# Altium PCB PCB1.PcbDoc (part 1 of 2)
Units mm, origin at the board's own origin, x right, y up, seen from the top; angles counter-clockwise.
Board outline 100 x 60 mm, 2 copper layers (Top Layer, Bottom Layer); 156 components, 92 nets, 483 pads, 40 vias.
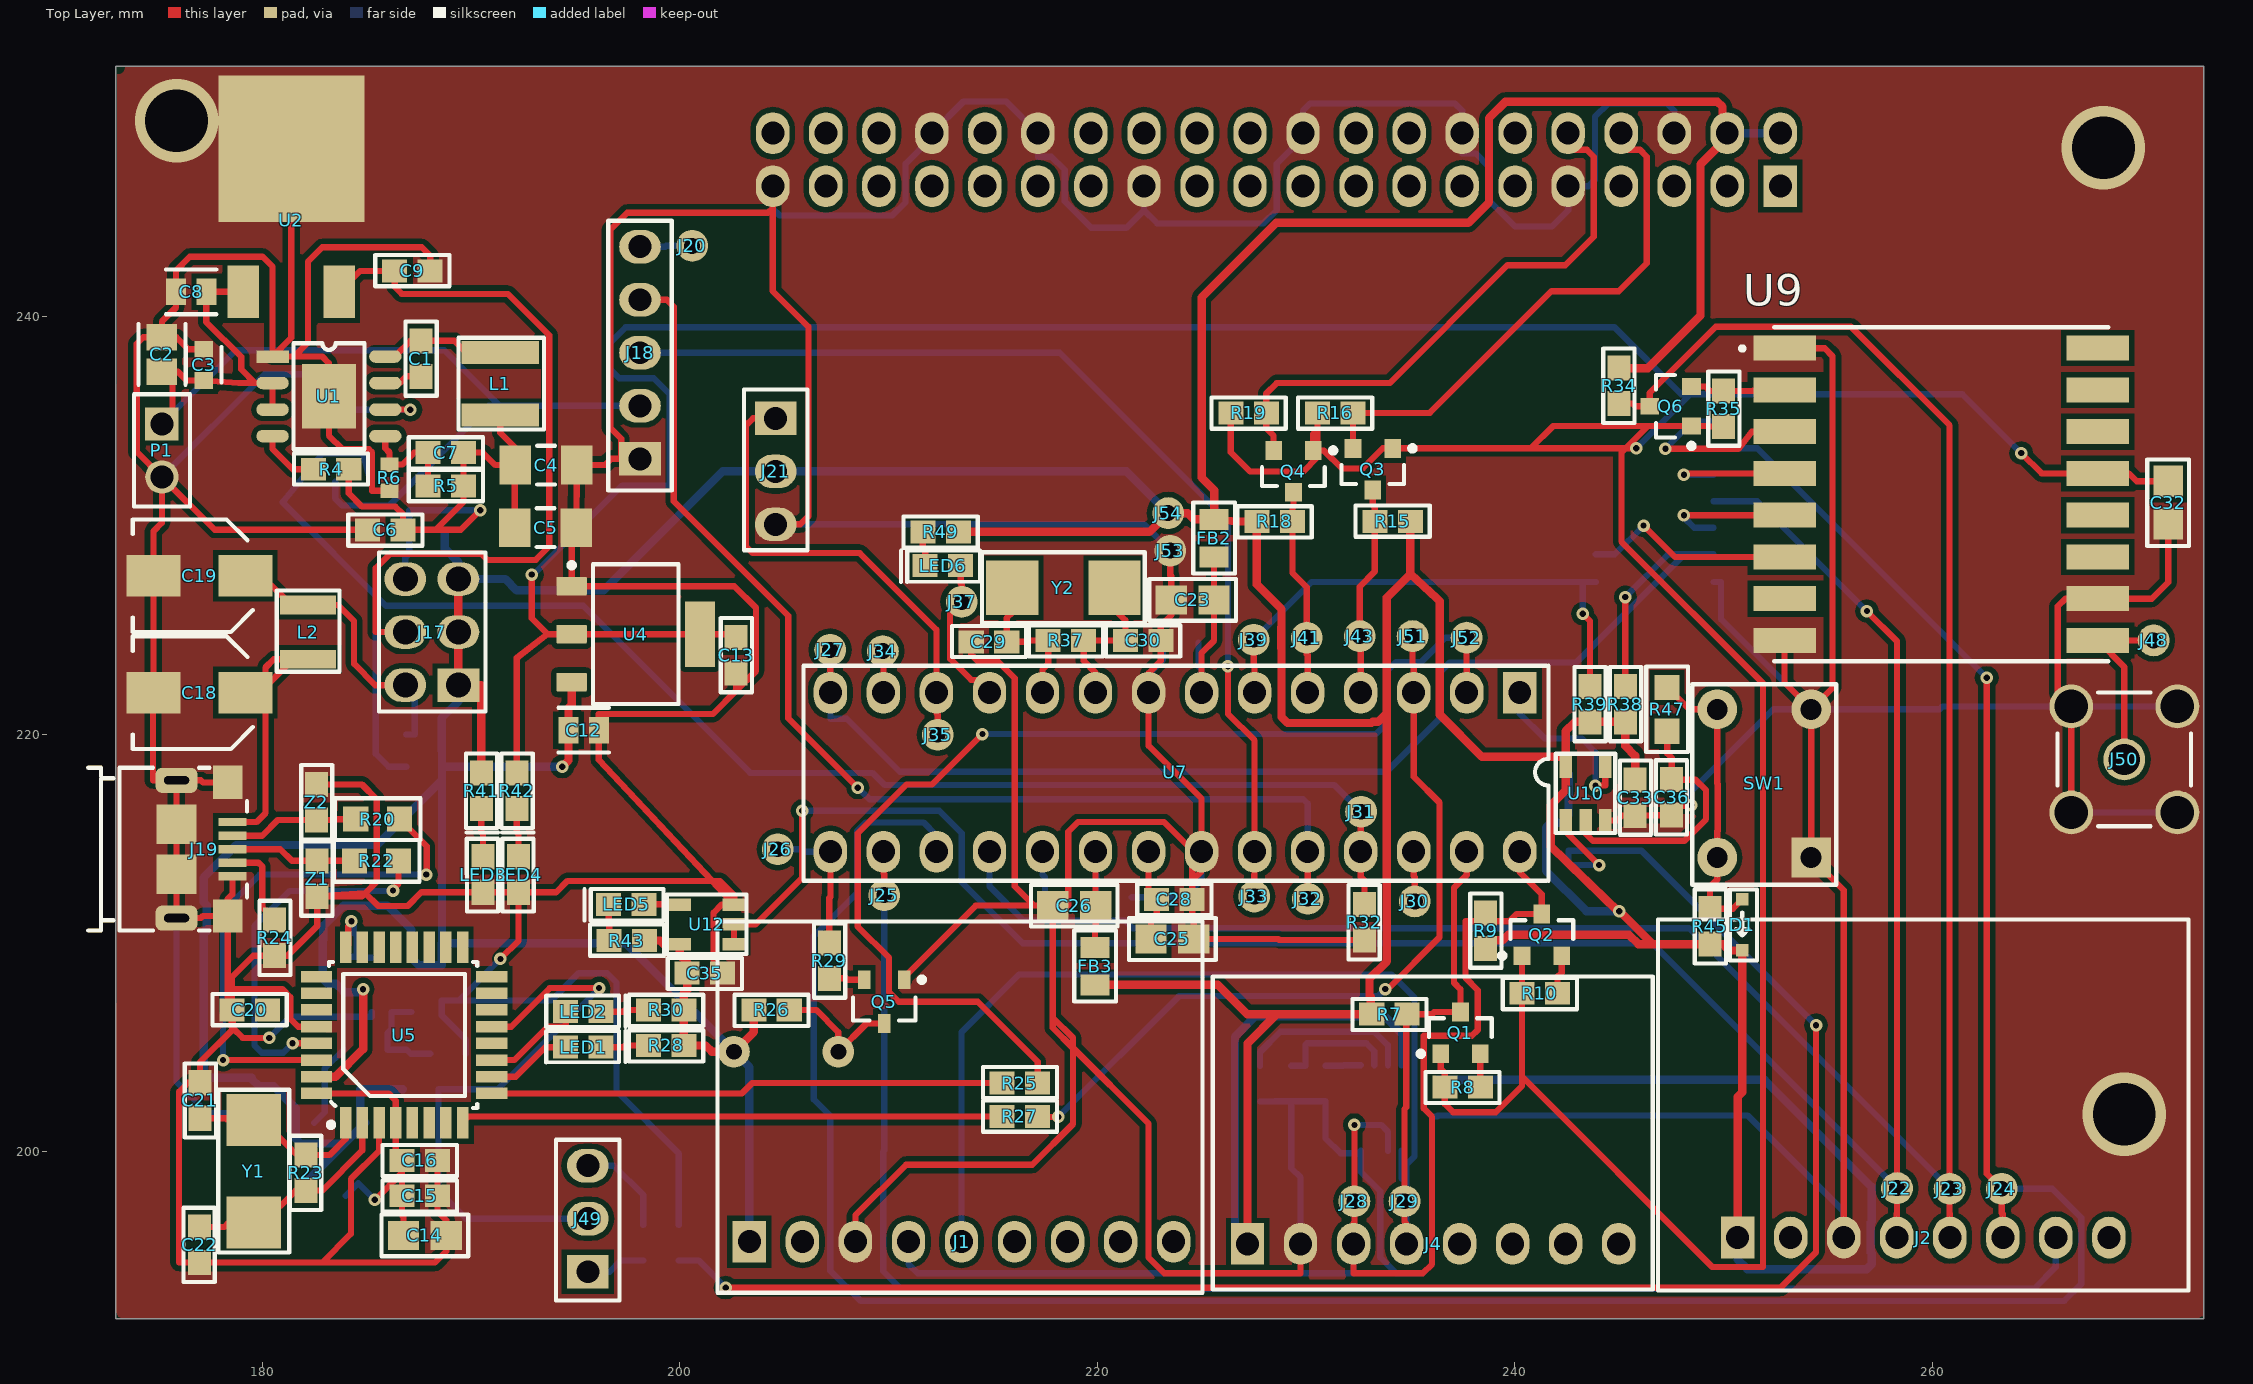
[diagram p0: Top Layer view]
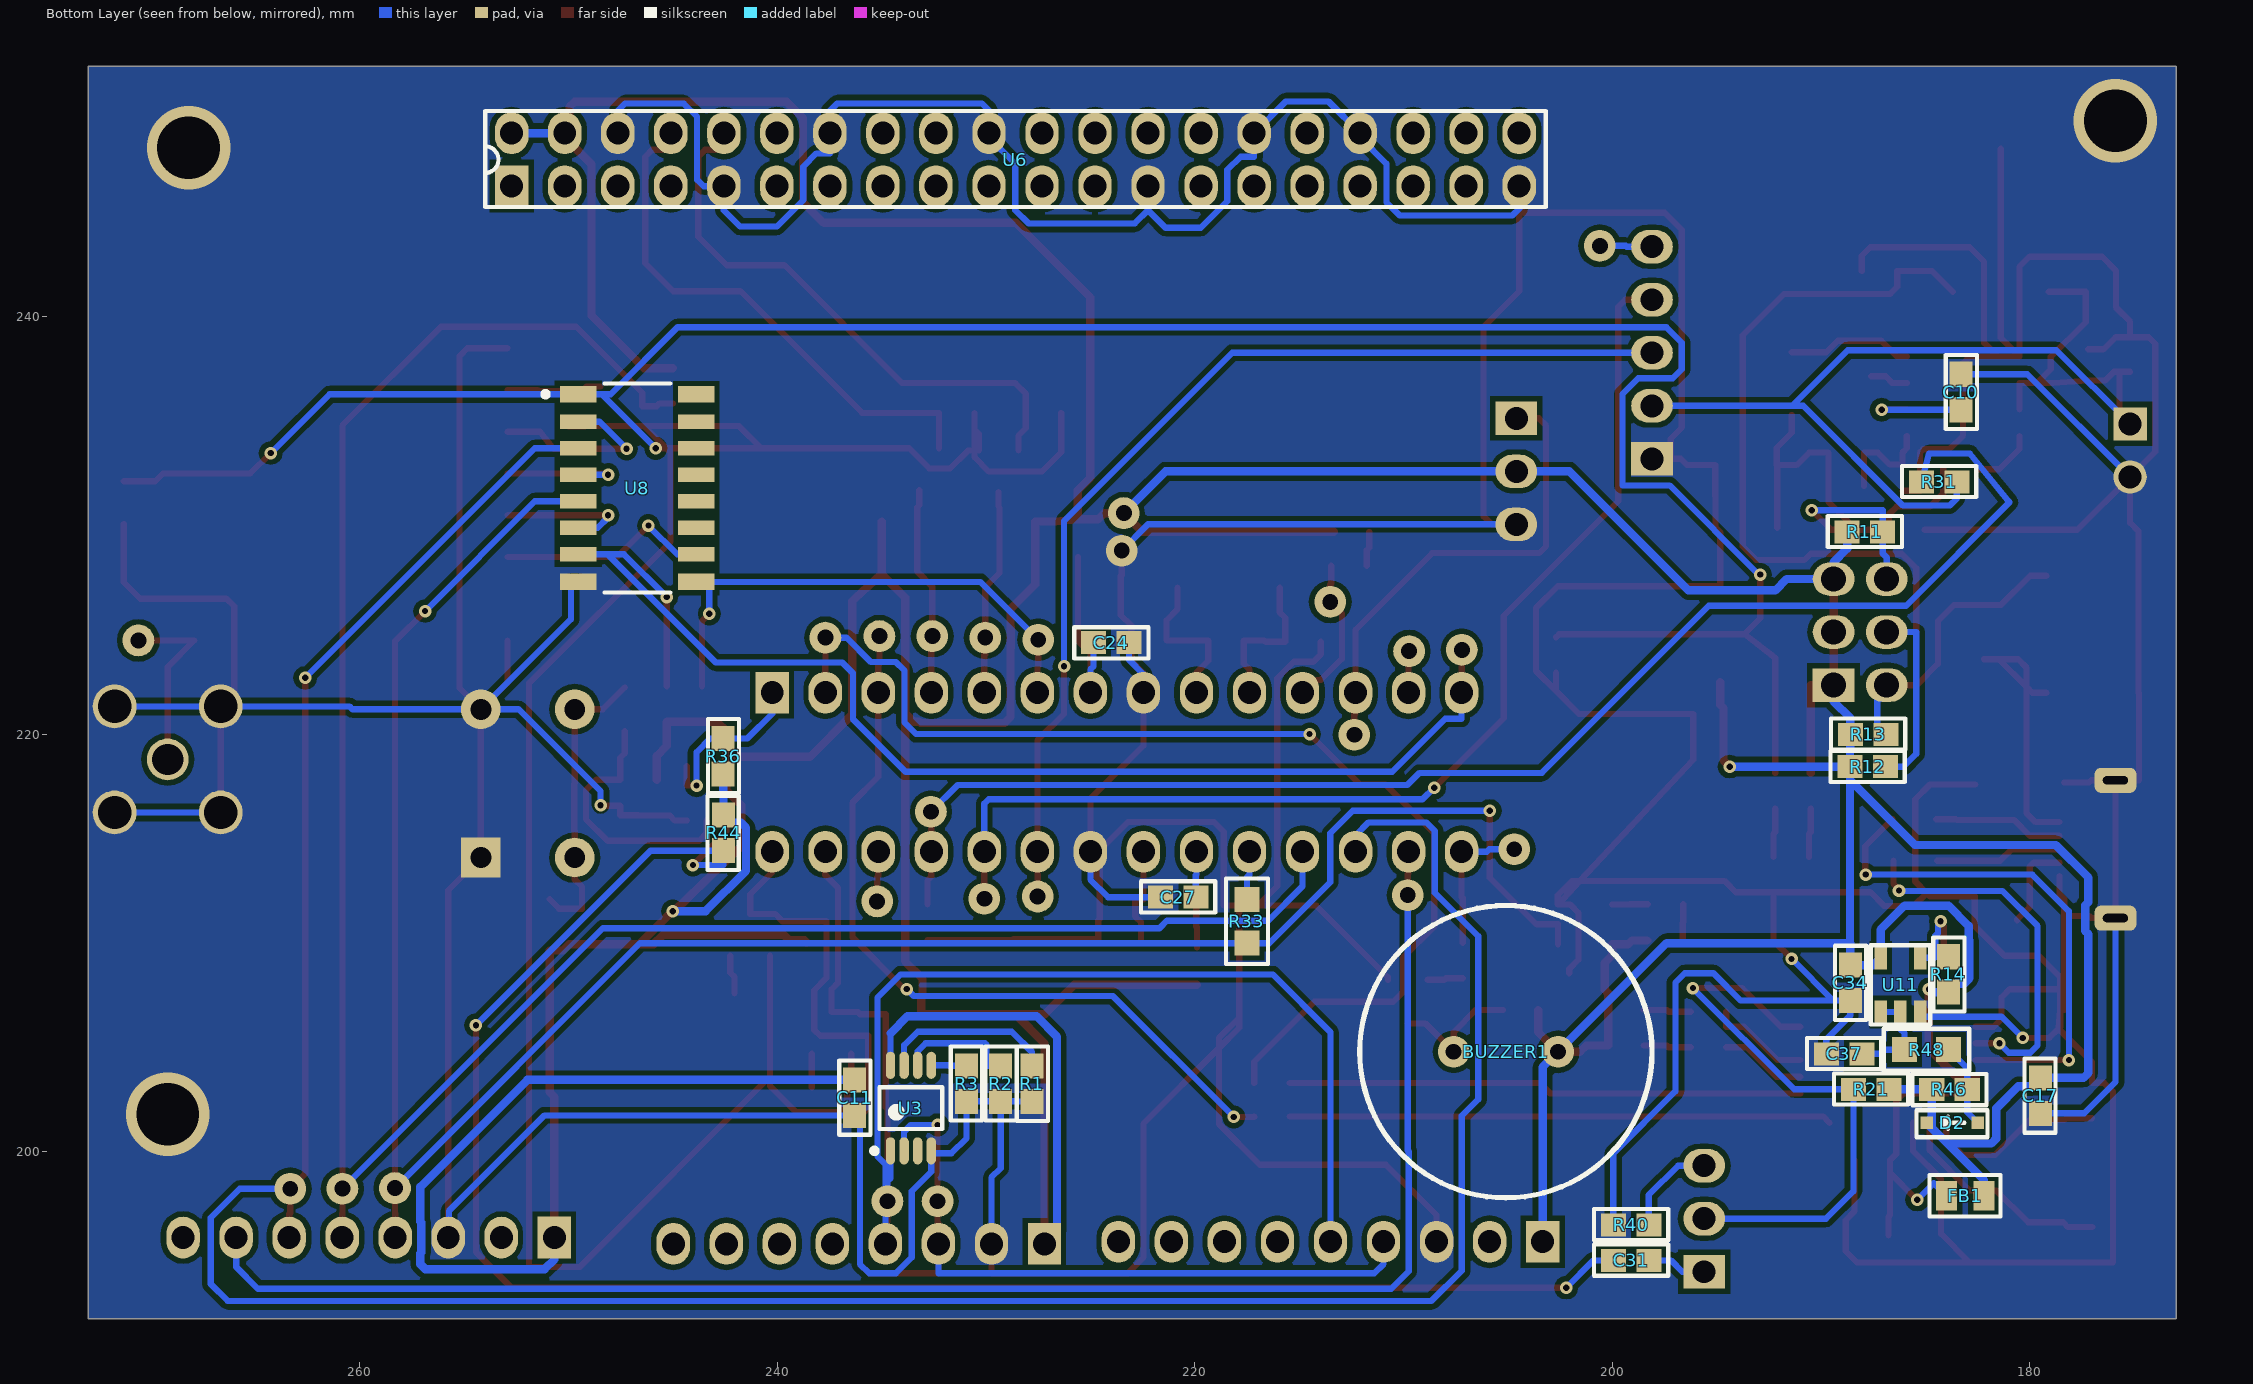
[diagram p1: Bottom Layer view, seen from below]

## Layer stack, top to bottom
Top Solder: solder mask 0.0102, Solder Resist, Dk 3.5
Top Layer: signal copper 0.0356
Dielectric 1: dielectric 0.32, FR-4, Dk 4.8
Bottom Layer: signal copper 0.0356
Bottom Solder: solder mask 0.0102, Solder Resist, Dk 3.5

## Board outline
173,192 273,192 273,252 173,252

## Design rules (kind name [scope] priority, off if disabled: settings)
Clearance [All] p1: gap=0.254 ignorepadtopadclearanceinfootprint=FALSE except(0: Arc-Hole Track-Hole SMDPad-Hole THPad-Hole Via-Hole Fill-Hole Poly-Hole Region-Hole Text-Hole)
HoleSize [All] p1: absolutevalues=TRUE maxlimit=5 minlimit=0.2 maxpercent=80.000 minpercent=20.000
PolygonConnect [All] p1: connectstyle=Direct reliefconductorwidth=0.254 reliefentries=4 polygonreliefangle="90 Angle" airgapwidth=0.254
RoutingVias [All] p1: holewidth=0.3 width=0.6 viastyle="Through Hole" minholewidth=0.3 minwidth=0.6 maxholewidth=0.3 maxwidth=0.6
SolderMaskExpansion [All] p1: expansion=0.102 istentingtop=FALSE
Width [All] p1: maxlimit=0.5 minlimit=0.3 preferedwidth=0.3
29 further rules are at their usual default settings.

## Components (designator, comment, footprint, x,y, rotation, side; value= is the part's Value field where it differs from the comment)
BUZZER1 "PS1420P02CT" PS1420P02CT 202.6,204.8 r0 bottom locked
C1 "0.1u" CAP_603 187.6,238 r270 top
C2 "4.7uF" FP-CL21-IPC_B 175.2,238.2 r90 top
C3 "220nF" FP-CC0603-DA-MFG 177.2,237.7 r90 top value="220 nF"
C4 "22uF" FP-CL31-IPC_A 193.6,232.9 r0 top
C5 "22uF" FP-CL31-IPC_A 193.576,229.9 r0 top
C6 "0.1uF" CAP_603 185.9,229.8 r180 top
C7 "18pF" CAP_603 188.8,233.5 r180 top
C8 "0.33uF" FP-CL21-F-IPC_C 176.6,241.2 r180 top value=330nF
C9 "0.1uF" CAP_603 187.2,242.2 r0 top
C10 "1uF" CAP_603 183.3,236.4 r270 bottom
C11 "0.1u" CAP_603 236.3,202.6 r270 bottom
C12 "0.33uF" FP-CL21-F-IPC_C 195.4,220.2 r0 top value=330nF
C13 "0.1uF" CAP_603 202.7,223.8 r270 top
C14 "10uF" CAP_0805 187.8,196 r180 top
C15 "0.1u" CAP_603 187.55,197.9 r180 top
C16 "0.1u" CAP_603 187.55,199.6 r180 top
C17 "0.1u" CAP_603 179.5,202.7 r90 bottom
C18 "100uF / 10V" EEE-1AA101WR 177,222 r0 top
C19 "100uF / 10V" EEE-1AA101WR 177,227.6 r0 top
C20 "1uF" CAP_603 179.4,206.8 r0 top
C21 "18pF" CAP_603 177.021,202.463 r270 top
C22 "18pF" CAP_603 177,195.55 r90 top
C23 "10uF" CAP_0805 224.569,226.444 r0 top
C24 "0.1u" CAP_603 224,224.4 r0 bottom
C25 "10uF" CAP_0805 223.6,210.2 r180 top
C26 "10uF" CAP_0805 218.9,211.8 r0 top
C27 "0.1u" CAP_603 220.8,212.2 r180 bottom
C28 "0.1u" CAP_603 223.7,212.1 r180 top
C29 "18pF" CAP_603 214.816,224.434 r0 top
C30 "18pF" CAP_603 222.2,224.5 r180 top
C31 "0.1u" CAP_603 199.1,194.8 r180 bottom
C32 "10uF" CAP_0805 271.3,231.1 r90 top
C33 "0.1u" CAP_603 245.769,216.97 r270 top
C34 "0.1u" CAP_603 188.6,208.1 r270 bottom
C35 "0.1u" CAP_603 201.209,208.561 r180 top
C36 "0.1u" CAP_603 247.516,216.979 r90 top
C37 "0.1u" CAP_603 188.9,204.7 r180 bottom
D1 "BAT54HT1G" BAT54HT1G 250.9,210.875 r90 top
D2 "BAT54HT1G" BAT54HT1G 183.725,201.4 r180 bottom
FB1 "MPZ2012S601AT000" FB_0805 183.1,197.9 r0 bottom
FB2 "MPZ2012S601AT000" FB_0805 225.6,229.4 r270 top
FB3 "MPZ2012S601AT000" FB_0805 219.9,208.9 r90 top
J1 "https://www.adafruit.com/product/4502" ISM330DHCX_adafruit 215.144,195.792 r90 top locked
J2 "https://www.adafruit.com/product/3966" BMP388_adafruit 249.41,195.9 r90 top locked
J4 "https://www.adafruit.com/product/1782" MCP9808_adafruit 236.2,195.7 r90 top locked
J17 "M20-9760346" HEADER_MALE_2x3PIN 189.4,222.36 r180 top
J18 "M20-9990546 (3)" HEADER_MALE_1X5 198,239.7 r180 top
J19 "10118193-0001LF" 10118193-0001LF 178.575,215.8 r270 top
J20 "PIN" PIN 200.6,243.4 r90 top
J21 "M20-9990345" HEADER_MALE_1x3 204.904,228.42 r0 top
J22 "PIN" PIN 258.311,198.266 r90 top
J23 "PIN" PIN 260.831,198.24 r90 top
J24 "PIN" PIN 263.328,198.237 r90 top
J25 "PIN" PIN 209.8,212.3 r90 top
J26 "PIN" PIN 204.7,214.5 r90 top
J27 "PIN" PIN 207.207,224.048 r90 top
J28 "PIN" PIN 232.319,197.637 r90 top
J29 "PIN" PIN 234.722,197.636 r90 top
J30 "PIN" PIN 235.215,211.998 r90 top
J31 "PIN" PIN 232.641,216.295 r0 top
J32 "PIN" PIN 230.082,212.126 r90 top
J33 "PIN" PIN 227.526,212.235 r90 top
J34 "PIN" PIN 209.736,223.987 r90 top
J35 "PIN" PIN 212.359,219.982 r90 top
J37 "PIN" PIN 213.51,226.348 r90 top
J39 "PIN" PIN 227.498,224.532 r90 top
J41 "PIN" PIN 230.039,224.634 r0 top
J43 "PIN" PIN 232.573,224.708 r90 top
J48 "PIN" PIN 270.6,224.5 r90 top
J49 "M20-9990345" HEADER_MALE_1x3 195.296,200.98 r180 top
J50 "5-1814832-1" TECO-5-1814832-1_V 269.2,218.8 r0 top
J51 "PIN" PIN 235.105,224.708 r0 top
J52 "PIN" PIN 237.695,224.634 r90 top
J53 "PIN" PIN 223.5,228.8 r90 top
J54 "PIN" PIN 223.4,230.6 r90 top
L1 "ASPI-4020S-120M-T" ASPI-4020S 191.4,236.8 r270 top
L2 "2u2 / 2A" L_1210 182.2,224.9 r90 top
LED1 "LOL29K-H2K1-24-Z" LED_0603 195.4,205 r0 top
LED2 "LOL29K-H2K1-24-Z" LED_0603 195.4,206.7 r0 top
LED3 "LGL29K-F2J1-24-Z" LED_0603 190.6,213.3 r90 top
LED4 "LGL29K-F2J1-24-Z" LED_0603 192.3,213.3 r90 top
LED5 "LOL29K-H2K1-24-Z" LED_0603 197.44,211.88 r180 top
LED6 "LGL29K-F2J1-24-Z" LED_0603 212.6,228.1 r180 top
P1 "61300211121" 61300211121 175.2,233.6 r270 top
Q1 "BSS138-7-F" DIOD-SOT23-3_V 237.4,205.7 r90 top
Q2 "BSS138-7-F" DIOD-SOT23-3_V 241.3,210.4 r90 top
Q3 "BSS138-7-F" DIOD-SOT23-3_V 233.2,232.7 r270 top
Q4 "BSS138-7-F" DIOD-SOT23-3_V 229.4,232.6 r270 top
Q5 "2SC2412KT146R" ROHM-SOT-346-3_V 209.8,207.2 r270 top
Q6 "BSS138-7-F" DIOD-SOT23-3_V 247.465,235.718 r180 top
R1 "10k" R_0603 227.8,203.265 r270 bottom
R2 "10k" R_0603 229.301,203.276 r270 bottom
R3 "10k" R_0603 230.931,203.276 r90 bottom
R4 "100k" R_0603 183.3,232.7 r0 top
R5 "100k" R_0603 188.8,231.9 r0 top
R6 "24.9k" RESC1608X55X30LL15T15 186.1,232.3 r90 top
R7 "10k" R_0603 234,206.6 r180 top
R8 "10k" R_0603 237.5,203.1 r180 top
R9 "10k" R_0603 238.6,210.6 r270 top
R10 "10k" R_0603 241.2,207.6 r180 top
R11 "0R" R_0603 187.9,229.7 r180 bottom
R12 "0R" R_0603 187.768,218.455 r180 bottom
R13 "0R" R_0603 187.75,220 r180 bottom
R14 "10k" R_0603 183.9,208.5 r270 bottom
R15 "10k" R_0603 234.15,230.2 r0 top
R16 "10k" R_0603 231.4,235.4 r180 top
R18 "10k" R_0603 228.5,230.2 r180 top
R19 "10k" R_0603 227.25,235.4 r180 top
R20 "22R" R_0805 185.535,215.941 r0 top
R21 "100k" R_0603 187.6,203 r180 bottom
R22 "22R" R_0805 185.485,213.941 r0 top
R23 "1M" R_0603 182.1,199 r90 top
R24 "0R" R_0603 180.6,210.25 r270 top
R25 "1k" R_0603 216.3,203.3 r0 top
R26 "1k" R_0603 204.4,206.8 r180 top
R27 "1k" R_0603 216.3,201.7 r0 top
R28 "560R" R_0603 199.35,205.1 r180 top
R29 "1k" R_0603 207.167,209.163 r270 top
R30 "560R" R_0603 199.35,206.8 r180 top
R31 "100k" R_0603 184.35,232.1 r180 bottom
R32 "100k" R_0603 232.8,211 r90 top
R33 "22R" R_0805 217.5,211.05 r270 bottom
R34 "10k" R_0603 245,236.7 r90 top
R35 "10k" R_0603 250,235.6 r270 top
R36 "10k" R_0603 242.592,218.956 r270 bottom
R37 "1M" R_0603 218.5,224.5 r180 top
R38 "100k" R_0603 245.3,221.45 r270 top
R39 "100k" R_0603 243.6,221.45 r270 top
R40 "1k" R_0603 199.1,196.5 r180 bottom
R41 "560R" R_0603 190.5,217.3 r270 top
R42 "560R" R_0603 192.2,217.3 r270 top
R43 "560R" R_0603 197.476,210.125 r0 top
R44 "10k" R_0603 242.574,215.279 r90 bottom
R45 "10k" R_0603 249.35,210.8 r270 top
R46 "10k" R_0603 183.85,203 r0 bottom
R47 "22R" R_0805 247.3,221.2 r270 top
R48 "22R" R_0805 184.95,204.9 r0 bottom
R49 "560R" R_0603 212.5,229.7 r180 top
SW1 "1825910-6" BUTTON 254.2,214.4 r180 top
U1 "LMR33610ADDAR" HSOIC8 180.5,238.1 r0 top
U2 "AS7805ADTR-G1" TO-252 179.1,241.2 r0 top
U3 "MCP9808-E/MS" MCHP-MSOP-MS8_L 233.6,202.1 r90 bottom
U4 "LM1117MPX-3.3/NOPB" DCY0004A_L 197.9,224.8 r0 top
U5 "ATMEGA16U2-AU" TQFP32 186.8,205.6 r90 top
U6 "raspberry_pi_connector" raspberry_pi 252.72,246.26 r90 bottom locked
U7 "ATMEGA328P-PU" DIP28_7.62mm 240.24,222 r270 top locked
U8 "74HC4050D,653" FP-SOT109-1-MFG 246.7,231.8 r180 bottom
U9 "RFM95W-868S2" RFM69HCW 260.3,231.5 r0 top
U10 "SN74AHC1G09DBVR" SOT-23 242.441,215.873 r90 top
U11 "SN74AHC1G09DBVR" SOT-23 187.15,206.7 r90 bottom
U12 "SN74AHC1G09DBVR" SOT-23 202.6,209.95 r180 top
Y1 "16MHz" ABM7_v1_1_BIG 179.597,199.076 r270 top
Y2 "CRYSTAL 16.0000MHZ 18PF SMD" ABM7_v1_1_BIG 218.377,227.024 r0 top
Z1 "CG0603MLC-05E" CG0603MLC-05E 182.635,213.091 r90 top
Z2 "CG0603MLC-05E" CG0603MLC-05E 182.6,216.75 r270 top

## Footprints (in the part's own frame and the unit in brackets; to place one, negate y for a bottom-side part, rotate by r counter-clockwise, add the part's x,y. Pads: shape width x height; smd on the part's side, far side on the other; paste and mask are expansions set on the pad)
10118193-0001LF [mm]
  rect 0.4x1.35 smd mask+0.05: 1(0,0) 2(0.65,0) 3(1.3,0) 4(1.95,0) 5(2.6,0)
  rect 1.6x1.4 smd mask+0.05: 6(-1.9,-0.225) 7(4.5,-0.225)
  rrect50% 1.2x2 hole 0.4 slot 1.2 at 90 deg mask+0.05: 8(-2,-2.675) 9(4.6,-2.675)
  rect 1.9x1.9 smd mask+0.05: 10(0.1,-2.675) 11(2.5,-2.675)
  silkscreen extent -2.6,-6.9 5.2,0.7, body extent -2.63,-5.46 5.23,0.2, height 2.81
61300211121 [mm] "Pin Header, pitch 2.54 mm, THT, Vertical, single row, 2p"
  rect 1.6x1.6 hole 1.1: 1(-1.27,0)
  round 1.6 hole 1.1: 2(1.27,0)
  silkscreen extent -2.69,-1.34 2.69,1.34, body extent -2.54,-1.27 2.54,1.27, height 8.57
ABM7_v1_1_BIG [mm]
  rect 2.5x2.6 smd: 1(-2.45,0) 2(2.45,0)
  silkscreen extent -3.9,-1.7 3.9,1.7, body extent -3,-1.75 3,1.75, height 1.41
ASPI-4020S [mm]
  rect 1.1x3.7 smd: 1(-1.5,0) 2(1.5,0)
  silkscreen extent -2.2,-2 2.2,2.1, body extent -2,-2 2,2, height 2.01
BAT54HT1G [mm]
  rect 0.6x0.6 smd: 1(-1.225,0) 2(1.225,0)
  silkscreen extent -1.7,-0.7 1.7,0.6, body extent -1.25,-0.7 1.25,0.55, height 0.9
BMP388_adafruit [mm]
  rect 2x1.6 hole 1.1: 1(0,-1.27)
  oval 2x1.6 hole 1.1: 2(0,-3.81) 3(0,-6.35) 4(0,-8.89) 5(0,-11.43) 6(0,-13.97) 7(0,-16.51) 8(0,-19.05)
  silkscreen extent -2.54,-22.86 15.24,2.54, body extent -2.54,-22.86 15.24,2.54, height 11.65
BUTTON [mm]
  rect 1.9x1.9 hole 1: 1(0,0.3)
  round 1.9 hole 1: 2(0,-6.8) 3(4.5,0.3) 4(4.5,-6.8)
  silkscreen extent -1.2,-8 5.7,1.6, body extent -0.79,-7.1 5.2,0.7, height 5
CAP_603 [mm]
  rect 1.2x1.1 smd: 1(-0.85,0) 2(0.85,0)
  silkscreen extent -1.78,-0.73 1.78,0.76, body extent -0.8,-0.41 0.8,0.41, height 0.9
CAP_0805 [mm]
  rect 1.5x1.4 smd: 1(-1.025,0) 2(1.025,0)
  silkscreen extent -2.08,-1 2.07,1, body extent -1,-0.62 1,0.62, height 1.25
CG0603MLC-05E [mm]
  rect 1.2x1.1 smd: 1(-0.85,0) 2(0.85,0)
  silkscreen extent -1.78,-0.73 1.78,0.76, body extent -0.8,-0.4 0.8,0.4, height 0.55
DCY0004A_L [mm] "SOT223, 4-Leads, Body 6.7x3.7mm, Pitch 2.3mm, IPC High Density"
  rrect11% 1.45x0.9 smd: 1(-3.075,2.3) 2(-3.075,0) 3(-3.075,-2.3)
  rrect7% 1.45x3.15 smd: 4(3.075,0)
  silkscreen extent -3.2,-3.35 2.05,3.42, body extent -3.5,-3.25 3.5,3.25, height 1.62
DIOD-SOT23-3_V [mm] "SOT23, 3-Leads, Body 3x1.4mm, Pitch 0.95mm"
  rect 0.9x0.8 smd: 1(-1,0.95) 2(-1,-0.95) 3(1,0)
  silkscreen extent -1.12,-1.5 0.7,2.02, body extent -1.25,-1.5 1.25,1.5, height 1.1
DIP28_7.62mm [mm]
  rect 2x1.6 hole 1.1: 1(0,0)
  oval 2x1.6 hole 1.1: 2(0,-2.54) 3(0,-5.08) 4(0,-7.62) 5(0,-10.16) 6(0,-12.7) 7(0,-15.24) 8(0,-17.78) 9(0,-20.32) 10(0,-22.86) 11(0,-25.4) 12(0,-27.94) 13(0,-30.48) 14(0,-33.02) 15(7.62,-33.02) 16(7.62,-30.48) 17(7.62,-27.94) 18(7.62,-25.4) 19(7.62,-22.86) 20(7.62,-20.32) 21(7.62,-17.78) 22(7.62,-15.24) 23(7.62,-12.7) 24(7.62,-10.16) 25(7.62,-7.62) 26(7.62,-5.08) 27(7.62,-2.54) 28(7.62,0)
  silkscreen extent -1.29,-34.31 9.01,1.37, body extent 0.07,-34.46 7.95,1.48, height 4.85
EEE-1AA101WR [mm]
  rect 2.6x2 smd: 1(2.2,0) 2(-2.2,0)
  silkscreen extent -3.2,-2.7 2.55,2.7, body extent -3.25,-2.75 3.25,2.75, height 5.5
FB_0805 [mm]
  rect 1x1.4 smd: 1(-0.9,0) 2(0.9,0)
  silkscreen extent -1.7,-1 1.7,1, body extent -1,-0.63 1,0.62, height 1.05
FP-CC0603-DA-MFG [mm]
  rect 0.8x0.9 smd paste+0 mask+0: 1(-0.75,0) 2(0.75,0)
  silkscreen extent -0.85,-0.85 0.85,0.85, body extent -1.35,-0.75 1.35,0.75, height 0.25
FP-CL21-F-IPC_C [mm]
  rect 0.958x1.262 smd paste+0 mask+0: 1(-0.727,0) 2(0.727,0)
  silkscreen extent -1.21,-1.08 1.21,1.08, body extent -1.31,-0.77 1.31,0.77, height 0.25
FP-CL21-IPC_B [mm]
  rect 1.255x1.456 smd paste+0 mask+0: 1(-0.826,0) 2(0.826,0)
  silkscreen extent -1.45,-1.13 1.45,1.13, body extent -1.7,-0.98 1.7,0.98, height 0.25
FP-CL31-IPC_A [mm]
  rect 1.505x1.858 smd paste+0 mask+0: 1(-1.476,0) 2(1.476,0)
  silkscreen extent -0.42,-0.93 0.42,0.93, body extent -2.73,-1.43 2.73,1.43, height 0.25
FP-SOT109-1-MFG [mm]
  rect 1.75x0.8 smd paste-1000 mask+0: 1(-2.825,4.495) 8(-2.825,-4.495) 9(2.825,-4.495) 16(2.825,4.495)
  rect 1.75x0.7 smd paste-1000 mask+0: 2(-2.825,3.175) 3(-2.825,1.905) 4(-2.825,0.635) 5(-2.825,-0.635) 6(-2.825,-1.905) 7(-2.825,-3.175) 10(2.825,-3.175) 11(2.825,-1.905) 12(2.825,-0.635) 13(2.825,0.635) 14(2.825,1.905) 15(2.825,3.175)
  silkscreen extent -4.52,-5 1.58,5, body extent -3.02,-4.95 3.02,4.95, height 1.75
HEADER_MALE_1x3 [mm]
  rect 2x1.6 hole 1.1: 1(-0.304,6.72)
  oval 2x1.6 hole 1.1: 2(-0.304,4.18) 3(-0.304,1.64)
  silkscreen extent -1.83,0.4 1.22,8.1, body extent -1.54,0.39 1,8.01, height 8.64
HEADER_MALE_1X5 [mm]
  rect 2x1.6 hole 1.1: 1(-0.1,6.5)
  oval 2x1.6 hole 1.1: 2(-0.1,3.96) 3(-0.1,1.42) 4(-0.1,-1.12) 5(-0.1,-3.66)
  silkscreen extent -1.62,-4.9 1.42,8.02, body extent -1.37,-4.93 1.17,7.77, height 6.1
HEADER_MALE_2x3PIN [mm]
  rect 2x1.6 / inner rect 2x1.2 / far side rect 2x1.6 hole 1.2: 1(0,0)
  oval 2x1.6 / inner oval 2x1.2 / far side oval 2x1.6 hole 1.2: 2(2.54,0) 3(0,-2.54) 4(2.54,-2.54) 5(0,-5.08) 6(2.54,-5.08)
  silkscreen extent -1.3,-6.35 3.8,1.27, body extent -1.34,-6.32 3.74,1.3, height 8.64
HSOIC8 [mm]
  rect 1.55x0.6 smd: 1(0,0)
  oval 1.55x0.6 smd: 2(0,-1.27) 3(0,-2.54) 4(0,-3.81) 5(5.4,-3.81) 6(5.4,-2.54) 7(5.4,-1.27) 8(5.4,0)
  rect 2.6x3.1 smd: 9(2.7,-1.9)
  silkscreen extent 1,-4.44 4.4,0.64, body extent -0.3,-4.35 5.7,0.55, height 1.7
ISM330DHCX_adafruit [mm]
  rect 2x1.6 hole 1.1: 1(-0.092,11.804)
  oval 2x1.6 hole 1.1: 2(-0.092,9.264) 3(-0.092,6.724) 4(-0.092,4.184) 5(-0.092,1.644) 6(-0.092,-0.896) 7(-0.092,-3.436) 8(-0.092,-5.976) 9(-0.092,-8.516)
  silkscreen extent -2.54,-9.91 15.24,13.33, body extent -2.54,-9.99 15.24,13.33, height 11
L_1210 [mm]
  rect 0.9x2.7 smd: 1(-1.3,0) 2(1.3,0)
  silkscreen extent -1.9,-1.5 2,1.5, body extent -1.6,-1.25 1.6,1.25, height 2.7
LED_0603 [mm]
  rect 1.2x1.1 smd: 1(-0.862,0.018) 2(0.838,0.018)
  silkscreen extent -1.79,-0.71 2,0.8, body extent -0.85,-0.4 0.85,0.4, height 0.67
MCHP-MSOP-MS8_L [mm] "SOP, 8-Leads, Body 3x3mm, Pitch 0.65mm, IPC High Density"
  oval 1.3x0.45 smd: 1(-2.05,0.975) 2(-2.05,0.325) 3(-2.05,-0.325) 4(-2.05,-0.975) 5(2.05,-0.975) 6(2.05,-0.325) 7(2.05,0.325) 8(2.05,0.975)
  silkscreen extent -2.17,-1.5 1,1.88, body extent -1.5,-1.5 1.5,1.5, height 1.1
MCP9808_adafruit [mm]
  rect 2x1.6 hole 1.1: 1(-0.1,9)
  oval 2x1.6 hole 1.1: 2(-0.1,6.46) 3(-0.1,3.92) 4(-0.1,1.38) 5(-0.1,-1.16) 6(-0.1,-3.7) 7(-0.1,-6.24) 8(-0.1,-8.78)
  silkscreen extent -2.29,-10.41 12.7,10.67, body extent -2.29,-10.41 12.7,10.67, height 10
PIN [mil]
  round 60 hole 30: 1(0,0)
PS1420P02CT [mil]
  round 60 hole 30: 1(0,0) 2(196.85,0)
  silkscreen extent -177,-276 374,276, body extent -177,-276 374,276, height 315
R_0603 [mm]
  rect 1.2x1.1 smd: 1(-0.85,0) 2(0.85,0)
  silkscreen extent -1.78,-0.73 1.78,0.76, body extent -0.8,-0.4 0.8,0.4, height 0.55
R_0805 [mm]
  rect 1.2x1.2 smd: 1(-1.05,0) 2(1.05,0)
  silkscreen extent -2.05,-1 2.05,1, body extent -1,-0.63 1,0.62, height 0.6
raspberry_pi [mm]
  rect 2x1.6 hole 1.1: 1(0,0)
  oval 2x1.6 hole 1.1: 2(2.54,0) 3(0,-2.54) 4(2.54,-2.54) 5(0,-5.08) 6(2.54,-5.08) 7(0,-7.62) 8(2.54,-7.62) 9(0,-10.16) 10(2.54,-10.16) 11(0,-12.7) 12(2.54,-12.7) 13(0,-15.24) 14(2.54,-15.24) 15(0,-17.78) 16(2.54,-17.78) 17(0,-20.32) 18(2.54,-20.32) 19(0,-22.86) 20(2.54,-22.86) 21(0,-25.4) 22(2.54,-25.4) 23(0,-27.94) 24(2.54,-27.94) 25(0,-30.48) 26(2.54,-30.48) 27(0,-33.02) 28(2.54,-33.02) 29(0,-35.56) 30(2.54,-35.56) 31(0,-38.1) 32(2.54,-38.1) 33(0,-40.64) 34(2.54,-40.64) 35(0,-43.18) 36(2.54,-43.18) 37(0,-45.72) 38(2.54,-45.72) 39(0,-48.26) 40(2.54,-48.26)
  silkscreen extent -1,-49.53 3.6,1.27, body extent -26.48,-56.6 4.75,8.4, height 12.55
RESC1608X55X30LL15T15 [mm] "Chip Resistor, 2-Leads, Body 1.60x0.80mm, IPC High Density"
  rect 0.7x0.85 smd: 1(-0.625,0) 2(0.625,0)
  body extent -0.87,-0.48 0.87,0.48, height 0.55
RFM69HCW [mm]
  rect 3x1.2 smd: 1(-7.373,7) 2(-7.373,5) 3(-7.373,3) 4(-7.373,1) 5(-7.373,-1) 6(-7.373,-3) 7(-7.373,-5) 8(-7.373,-7) 9(7.627,-7) 10(7.627,-5) 11(7.627,-3) 12(7.627,-1) 13(7.627,1) 14(7.627,3) 15(7.627,5) 16(7.627,7)
  silkscreen extent -9.5,-8 8.13,8, body extent -7.9,-7.9 8.1,8.1, height 1.81
ROHM-SOT-346-3_V [mm] "SOT23, 3-Leads, Body 3x1.8mm, Pitch 0.95mm"
  rect 0.9x0.6 smd: 1(-1.05,0.95) 2(-1.05,-0.95) 3(1.05,0)
  silkscreen extent -1.17,-1.5 0.9,1.93, body extent -1.5,-1.5 1.5,1.5, height 1.3
SOT-23 [mm]
  rect 1.1x0.6 smd: 1(0,0) 2(0,-0.95) 3(0,-1.9) 4(2.6,-1.9) 5(2.6,0)
  silkscreen extent -0.6,-2.38 3.2,0.48, body extent -0.1,-2.4 2.7,0.5, height 1.45
TECO-5-1814832-1_V [mm] "THD, 5-Leads, Body 6.4x6.4mm, Pitch 5.08mm"
  round 2 hole 1.5: 1(0,0)
  round 2.1 hole 1.6: 2(-2.54,2.54) 3(-2.54,-2.54) 4(2.54,-2.54) 5(2.54,2.54)
  silkscreen extent -3.2,-3.2 3.2,3.2, body extent -3.21,-3.21 3.19,3.19, height 9.5
TO-252 [mm]
  rect 1.5x2.5 smd: 1(0,0) 3(4.6,0)
  rect 7x7 smd: 2(2.3,6.85)
  body extent -0.99,-0.79 5.59,9.15, height 2.3
TQFP32 [mm]
  rect 1.5x0.55 smd mask+0.06: 1(-4.2,2.8) 2(-4.2,2) 3(-4.2,1.2) 4(-4.2,0.4) 5(-4.2,-0.4) 6(-4.2,-1.2) 7(-4.2,-2) 8(-4.2,-2.8) 17(4.2,-2.8) 18(4.2,-2) 19(4.2,-1.2) 20(4.2,-0.4) 21(4.2,0.4) 22(4.2,1.2) 23(4.2,2) 24(4.2,2.8)
  rect 0.55x1.5 smd mask+0.06: 9(-2.8,-4.2) 10(-2,-4.2) 11(-1.2,-4.2) 12(-0.4,-4.2) 13(0.4,-4.2) 14(1.2,-4.2) 15(2,-4.2) 16(2.8,-4.2) 25(2.8,4.2) 26(2,4.2) 27(1.2,4.2) 28(0.4,4.2) 29(-0.4,4.2) 30(-1.2,4.2) 31(-2,4.2) 32(-2.8,4.2)
  silkscreen extent -4.4,-3.5 3.5,3.6, body extent -4.6,-4.6 4.6,4.6, height 1.2

## Part data
BUZZER1: "AUDIO PIEZO TRANSDUCER 30V TH", Case/Package=Radial, Frequency=2kHz, Manufacturer=TDK, Max Operating Temperature=70°C, Max Supply Voltage=5V, Min Operating Temperature=-10°C, Package Quantity=1, Supplier Part Number 1=445-2526-1-ND, Category="Audio Products", ComponentLink1Description=https://datasheet.ciiva.com/1743/84905-1743655.pdf?src-supplier=Newark, ComponentLink1URL=https://datasheet.ciiva.com/1743/84905-1743655.pdf?src-supplier=Newark, ComponentLink2Description=https://datasheet.ciiva.com/1324/1740412-1324104.pdf?src-supplier=Element14, ComponentLink2URL=https://datasheet.ciiva.com/1324/1740412-1324104.pdf?src-supplier=Element14, ComponentLink3Description=https://datasheet.ciiva.com/4625/ef532-ps-4625338.pdf?src-supplier=Mouser, ComponentLink3URL=https://datasheet.ciiva.com/4625/ef532-ps-4625338.pdf?src-supplier=Mouser, ComponentLink4Description=https://datasheet.ciiva.com/16477/ef532-ps-16477598.pdf?src-supplier=Future+Electronics, ComponentLink4URL=https://datasheet.ciiva.com/16477/ef532-ps-16477598.pdf?src-supplier=Future+Electronics, ComponentLink5Description=https://datasheet.ciiva.com/0/ef532-ps-117.pdf?src-supplier=Digi-Key, ComponentLink5URL=https://datasheet.ciiva.com/0/ef532-ps-117.pdf?src-supplier=Digi-Key, ComponentLink6Description=https://datasheet.ciiva.com/0/ef532-ps-118.pdf?src-supplier=Digi-Key, ComponentLink6URL=https://datasheet.ciiva.com/0/ef532-ps-118.pdf?src-supplier=Digi-Key, ComponentLink7Description=https://datasheet.ciiva.com/8113/ef532-ps-8113417.pdf?src-supplier=Avnet, ComponentLink7URL=https://datasheet.ciiva.com/8113/ef532-ps-8113417.pdf?src-supplier=Avnet, Diameter=14mm, Height=11mm, Lead Free="Lead Free", Manufacturer Part Number=PS1420P02CT, Mount="Through Hole", Number of Terminals/Pins=2, Packaging="Tape and Reel", Pricing 1="1=0.72000, 10=0.61600, 25=0.57600, 50=0.54660, 100=0.51760 (USD)", REACH SVHC="No SVHC", RoHS=Yes, Self Resonant Frequency=2kHz, Stock 1=2916, Supplier 1=Digi-Key, Termination="PC Pins", Voltage Rating (DC)=5V, Washable=No
C1 C6 C9 C13 C24 C27 C28: library part CL10B104KB8NNNL, "CL10 Series 0603 0.1 uF 50 V ±10% Tolerance X7R Multilayer Ceramic Capacitor", Capacitance=100nF, Case/Package=0603, Dielectric=X7R, Manufacturer=Samsung, Max Operating Temperature=125°C, Min Operating Temperature=-55°C, Package Quantity=15000, Supplier Part Number 1=1276-CL10B104KB8NNNLCT-ND, Tolerance=10%, Voltage Rating=50V, Category="Ceramic Capacitors", ComponentLink1Description=https://datasheet.ciiva.com/26838/getdatasheetpartid-357523-26838415.pdf?src-supplier=Verical, ComponentLink1URL=https://datasheet.ciiva.com/26838/getdatasheetpartid-357523-26838415.pdf?src-supplier=Verical, ComponentLink2Description=https://datasheet.ciiva.com/25741/cl10b104kb8nnnl-25741341.pdf?src-supplier=Digi-Key, ComponentLink2URL=https://datasheet.ciiva.com/25741/cl10b104kb8nnnl-25741341.pdf?src-supplier=Digi-Key, Depth=0.8mm, Height=0.8mm, Length=1.6mm, Manufacturer Part Number=CL10B104KB8NNNL, Mount="Surface Mount", Packaging="Tape and Reel", Pricing 1="1=0.10000, 10=0.02900, 50=0.01580, 100=0.01280, 500=0.00916, 1000=0.00720, 2500=0.00654, 5000=0.00602 (USD)", Radiation Hardening=No, RoHS=Yes, Stock 1=4930902, Supplier 1=Digi-Key, Thickness=0.035inch, Voltage Rating (DC)=50V, Width=0.031inch
C2: library part CMP-13271-004010-1, "CL21 Series 0805 4.7uF 25V ±10% Tolerance X5R Multilayer Ceramic Chip Capacitor", Case Code (Imperial)=0805, Case Code (Metric)=2012, Dielectric=X5R, Max Operating Temperature=85°C, Min Operating Temperature=-55°C, Package Quantity=3000, Tolerance=10%, Voltage=25V, Capacitance=4.7uF, Case/Package=0805, Depth=1.25mm, Height=1.25mm, Lead Free="Lead Free", Length=2mm, Material=Ceramic, Mount="Surface Mount", Packaging="Tape and Reel", Radiation Hardening=No, Thickness=0.055inch, Voltage Rating=25V, Width=0.049inch
C3: library part CMP-2100-03597-2, "0603 0.22 uF 16 V ±10 % Tolerance X7R SMT Multilayer Ceramic Capacitor", Capacitance="220 nF", Manufacturer=YAGEO, Manufacturer Part Number=CC0603KRX7R7BB224, Package=CC0603-DA, Temperature="-55°C to +125°C", Temperature Characteristic=X7R, Temperature Coefficient=15%, Temperature Range High=+125°C, Temperature Range Low=-55°C, Tolerance=0.1, Voltage="16 V", Automotive=No, Category=Cap, ComponentLink2Description=Datasheet, ComponentLink2URL=http://www.yageo.com/documents/recent/UPY-GPHC_X7R_6.3V-to-50V_18.pdf, Device Class L1="Passive Components", Device Class L2=Capacitors, Device Class L3="Ceramic Capacitors", Digikey Description="0603 0.22 uF 16 V ±10 % Tolerance X7R SMT Multilayer Ceramic Capacitor", Footprint Url=http://www.yageo.com/exep/pages/download/literatures/UPY-C_GEN_24.pdf, Height=0.9mm, Lead Free=Yes, Material=Ceramic, Mouser Description="Multilayer Ceramic Capacitors MLCC - SMD/SMT 220nF 16V X7R 10%", Octopart=https://octopart.com/cc0603krx7r7bb224-yageo-6827757, RoHS=TRUE, Voltage Rating="16 V"